# Altium PCB RTM_SFP.PcbDoc (part 1 of 5) (continued)
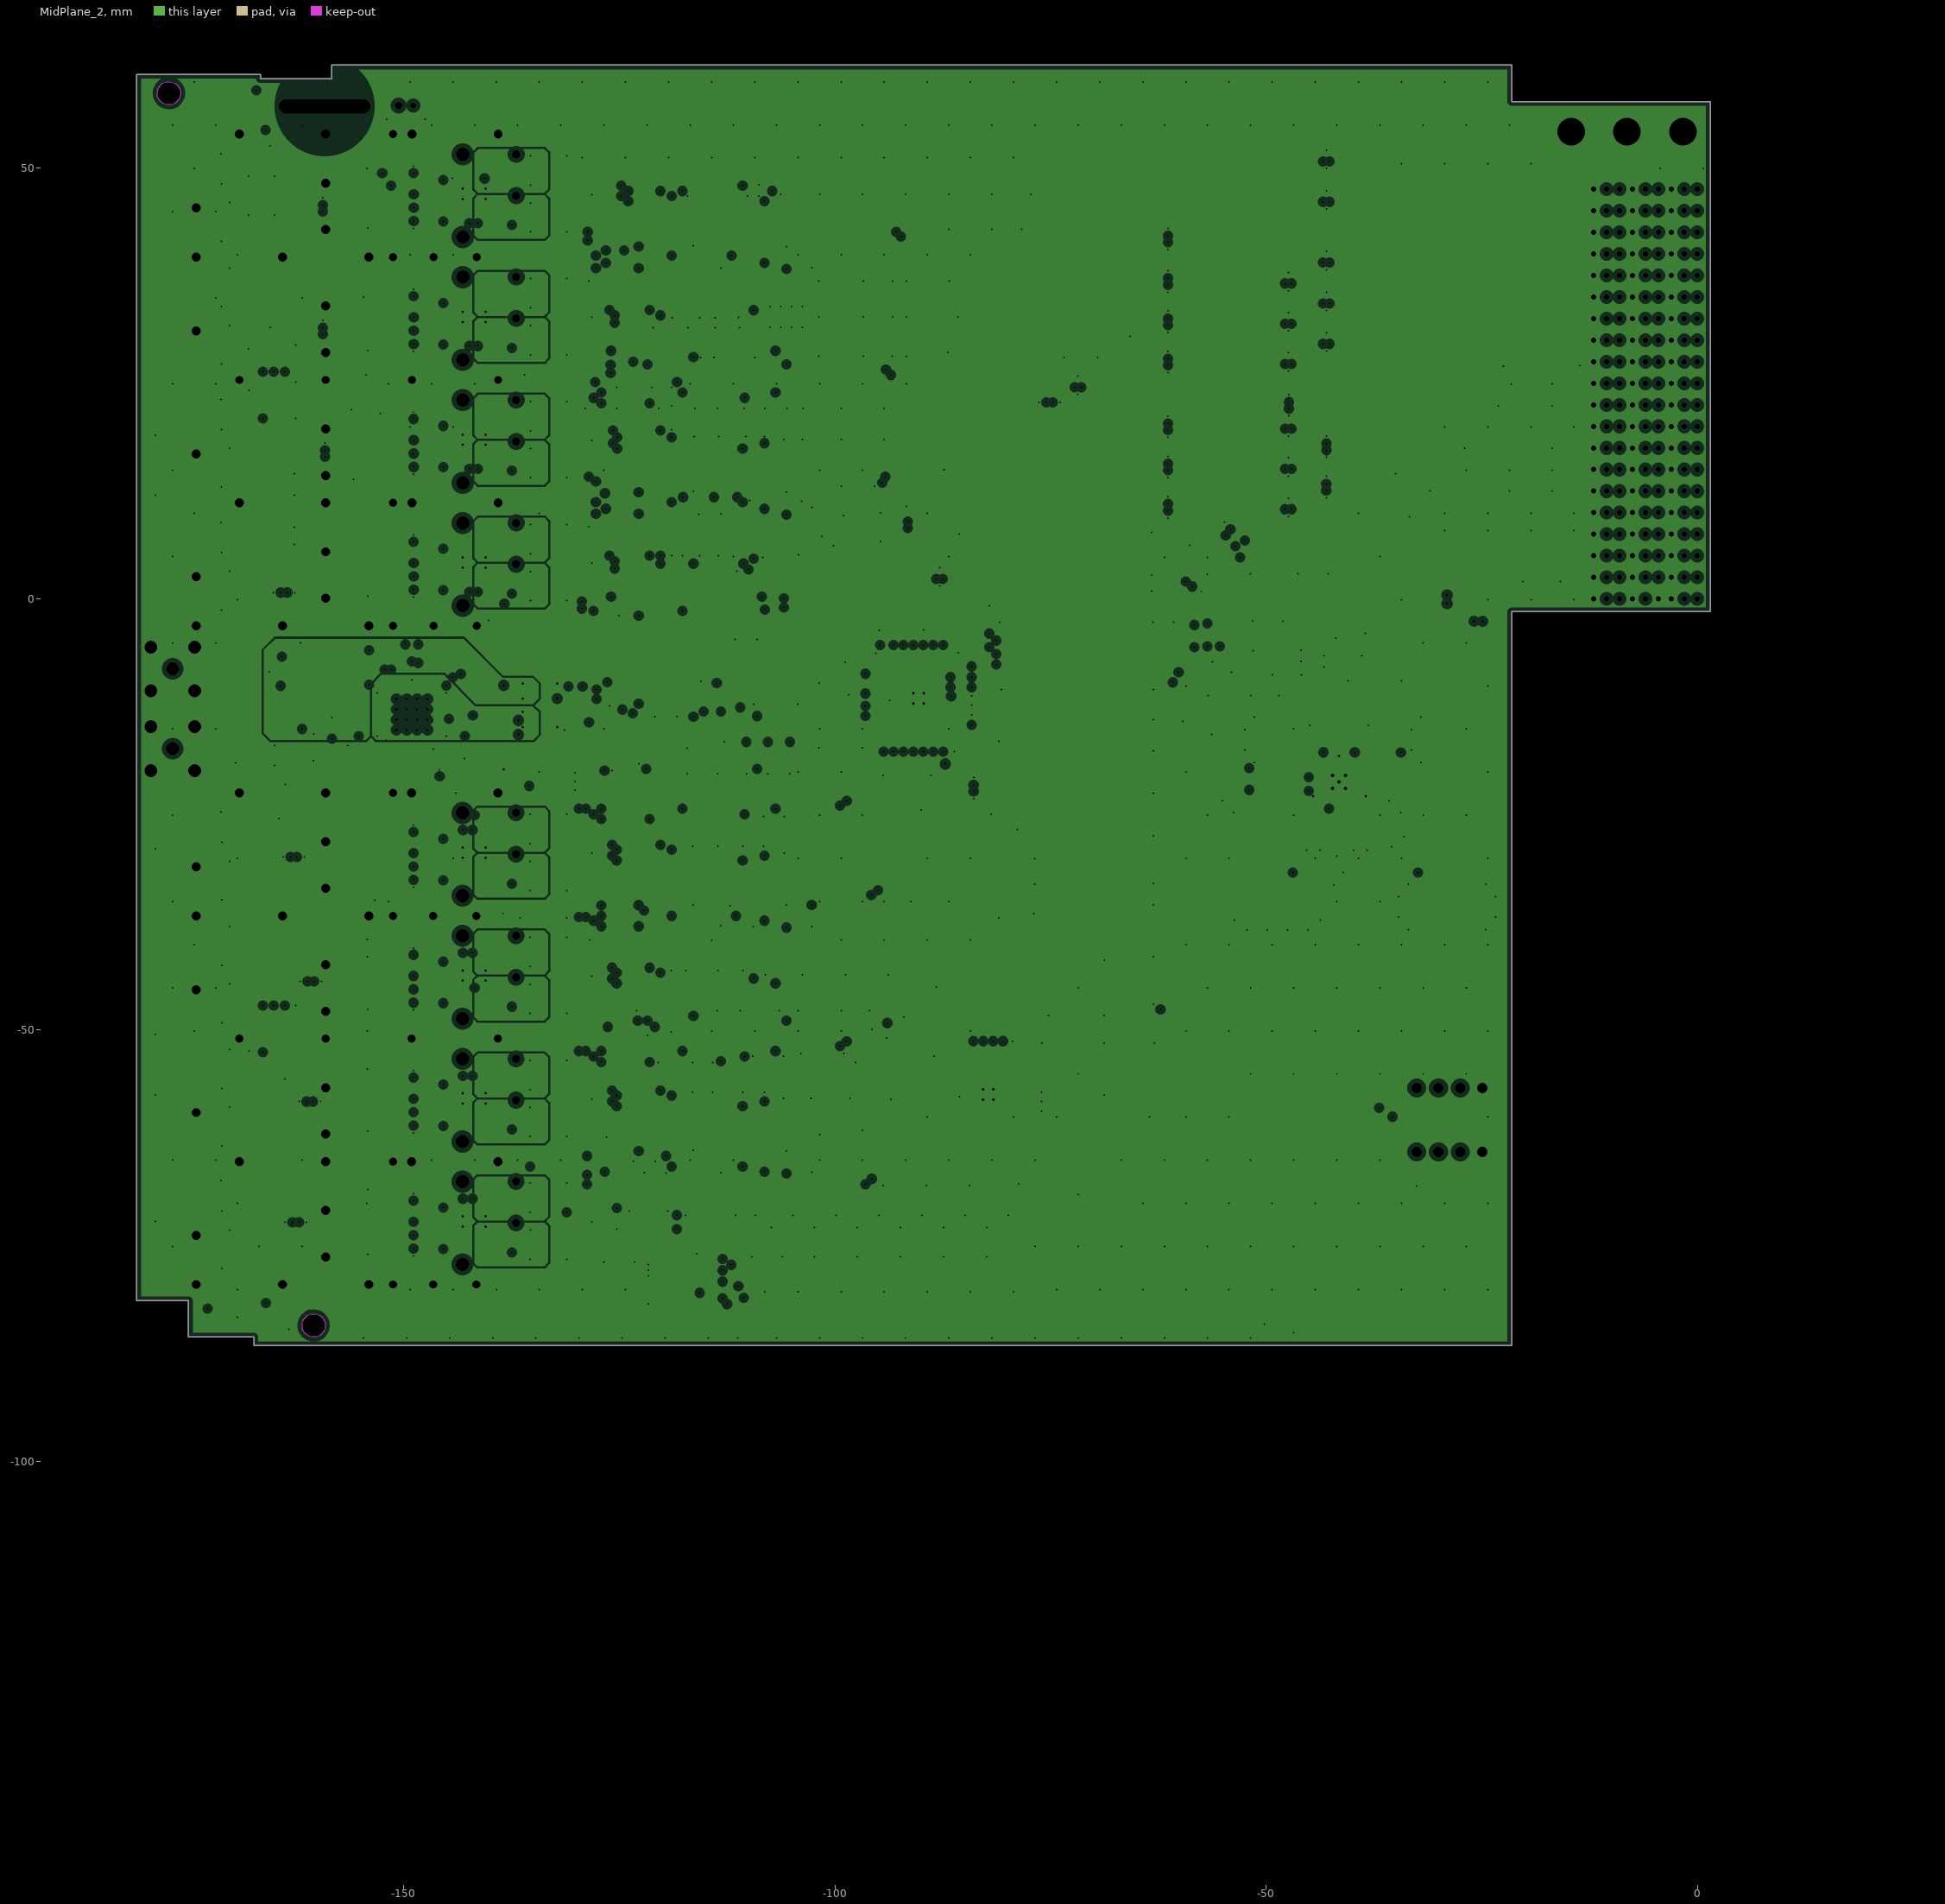
[diagram p3: MidPlane_2, clearances drawn from the general rule]
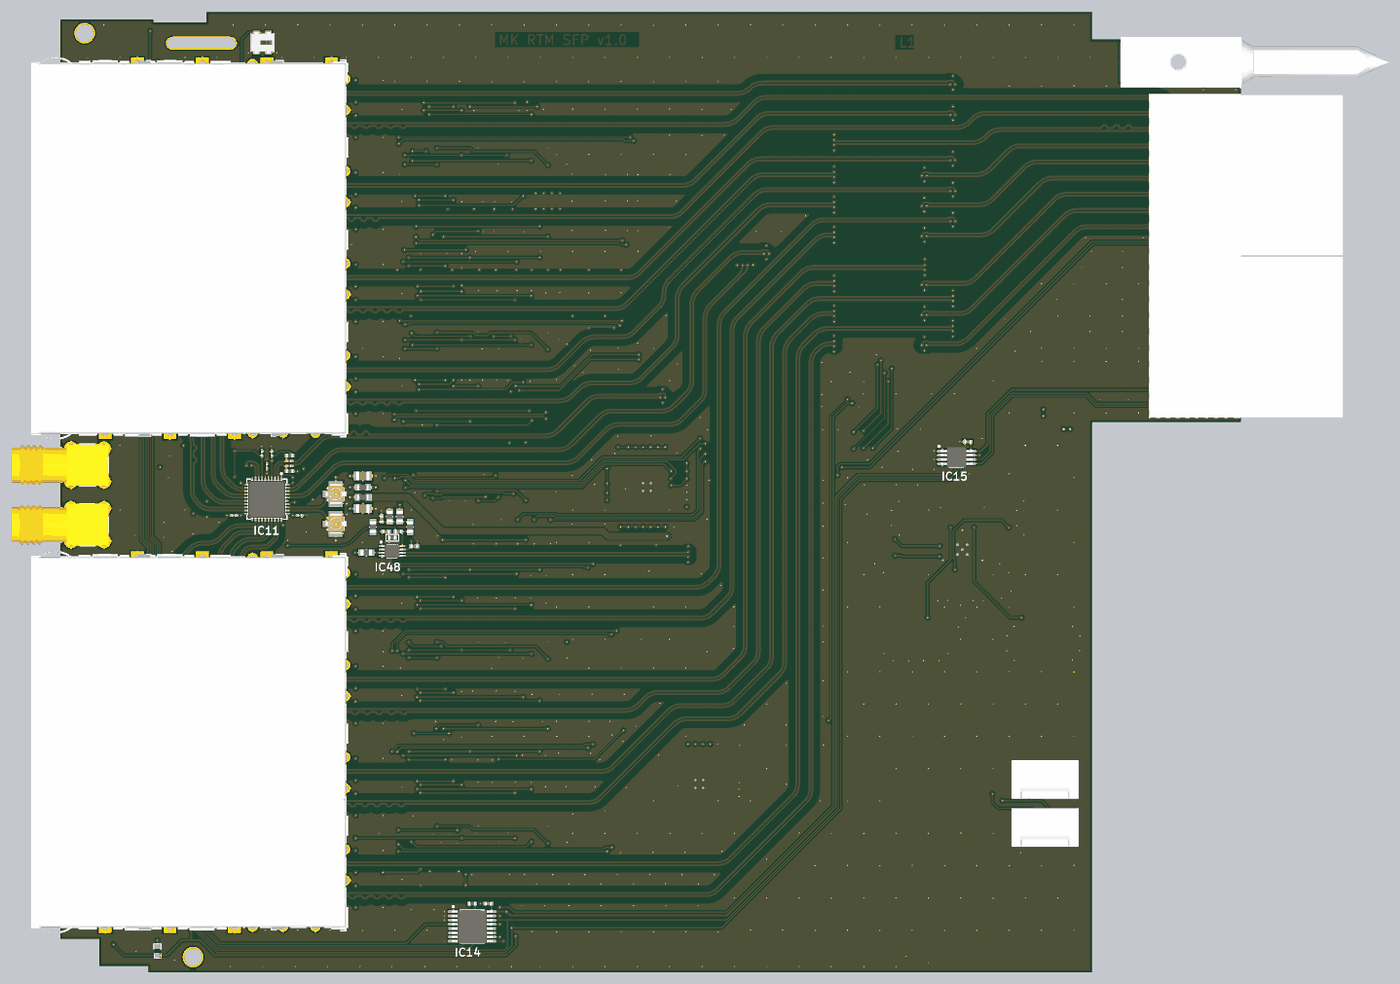
[diagram p8: 3D render of the assembled board from above, using the file's embedded part models]
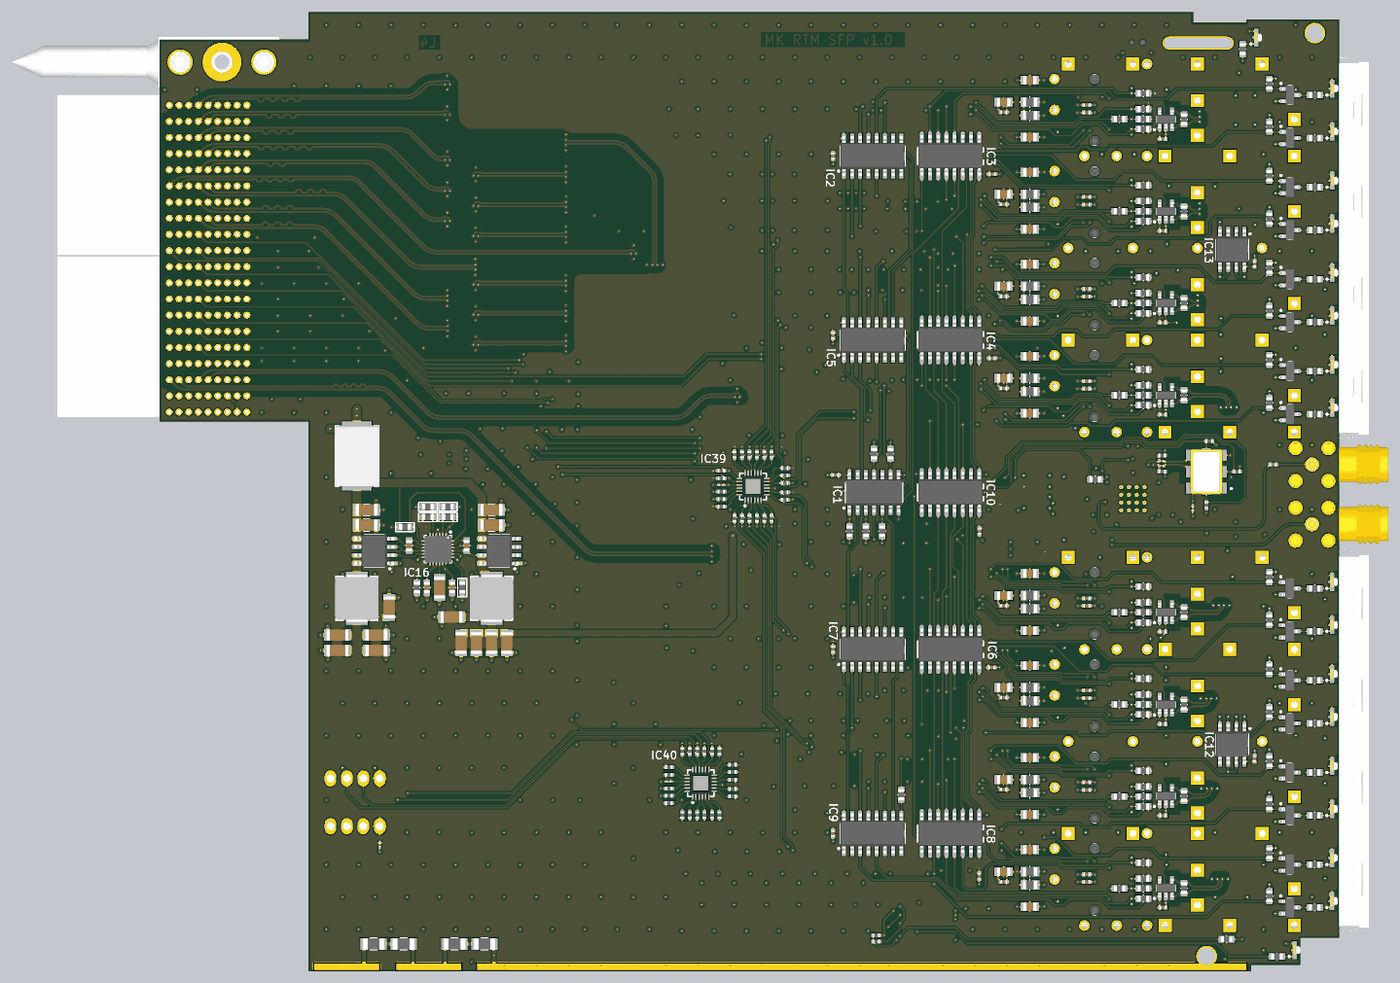
[diagram p9: 3D render of the assembled board from below, using the file's embedded part models]

## Layer stack, top to bottom
Top Layer: signal copper 0.0356
Dielectric: prepreg 0.381, FR-4, Dk 4.8
MidPlane_1: plane copper 0.0356, net (Multiple Nets)
Dielectric: core 0.71, FR-4, Dk 4.8
MidPlane_2: plane copper 0.0356, net (Multiple Nets)
Dielectric: prepreg 0.381, FR-4, Dk 4.8
Bottom Layer: signal copper 0.0356

## Board outline
-175.001,-85.588 -175.001,-81.389 -181,-81.389 -181,60.813 -166.639,60.813 -166.639,60.312 -158.399,60.312 -158.399,61.912 -21.501,61.912 -21.501,57.661 1.499,57.661 1.499,-1.488 -21.501,-1.488 -21.501,-86.589 -167.401,-86.589 -167.401,-85.588
cut-out: -177.221,59.969 cw(c-177.221,58.669) -176.301,59.588 cw(c-177.221,58.669) -175.92,58.669 -175.92,58.572 cw(c-177.147,58.572) -176.28,57.705 -176.428,57.556 cw(c-177.042,58.17) -177.042,57.302 -177.317,57.302 cw(c-177.317,58.529) -178.185,57.662 -178.333,57.81 cw(c-177.72,58.424) -178.587,58.424 -178.587,58.699 cw(c-177.361,58.699) -178.228,59.567 -178.079,59.715 cw(c-177.466,59.102) -177.466,59.969
cut-out: -160.43,-82.906 cw(c-160.43,-84.206) -159.51,-83.287 cw(c-160.43,-84.206) -159.129,-84.206 -159.129,-84.303 cw(c-160.356,-84.303) -159.489,-85.17 -159.637,-85.319 cw(c-160.251,-84.705) -160.251,-85.573 -160.526,-85.573 cw(c-160.526,-84.346) -161.394,-85.213 -161.542,-85.065 cw(c-160.929,-84.451) -161.796,-84.451 -161.796,-84.176 cw(c-160.57,-84.176) -161.437,-83.308 -161.288,-83.16 cw(c-160.675,-83.773) -160.675,-82.906

## Design rules (kind name [scope] priority, off if disabled: settings)
Clearance Clearance_KO [OnLayer('Keep-Out Layer')] p1: gap=0.254
Clearance Clearance_Poly_DS [(InDifferentialPairClass('All Differential Pairs')) vs InPolygon] p2: gap=1.016
Clearance Clearance_Poly [InPolygon] p3: gap=0.203
Clearance Clearance_DS&CLK [(InNet('SFP_CLK*') OR InNet('FPGA_CLK*'))] p4: gap=0.152
Clearance Clearance_DS&RTM [WithinRoom('U_RTM_Connectors')] p5: gap=0.152
Clearance Clearance_DS [All] p6: gap=1.27
Clearance [All] p7: gap=0.152
DiffPairsRouting [All] p1: maxlimit=0.152 minlimit=0.152 mostfreqgap=0.152 maxuncoupledlength=12.7
HoleSize [All] p1: absolutevalues=TRUE maxlimit=12 minlimit=0.025 maxpercent=80.000 minpercent=20.000
MinimumSolderMaskSliver [All] p1: minsoldermaskwidth=0
PlaneClearance [All] p1: clearance=0.508
PlaneConnect PlaneConnect_Via [IsVia] p1: planeconnectstyle=Direct reliefexpansion=0.508 reliefentries=4 reliefconductorwidth=0.254 reliefairgap=0.254
PlaneConnect [All] p2: planeconnectstyle=Relief reliefexpansion=0.254 reliefentries=4 reliefconductorwidth=0.254 reliefairgap=0.254
PolygonConnect PolygonConnect_Via [IsVia] p1: connectstyle=Direct reliefconductorwidth=0.254 reliefentries=4 polygonreliefangle="90 Angle" airgapwidth=0.254
PolygonConnect [All] p2: connectstyle=Relief reliefconductorwidth=0.254 reliefentries=4 polygonreliefangle="90 Angle" airgapwidth=0.254
RoomDefinition U_PWR [InComponentClass('U_PWR')] p1: confinementstyle=ConfineIn formatcopy=TRUE lockcomponents=FALSE outline -55.08,-38.369 -23.41,-38.369 -23.41,-13.629 -55.08,-13.629
RoomDefinition RTM_SFP_TOP [InComponentClass('RTM_SFP_TOP')] p2: confinementstyle=ConfineIn formatcopy=TRUE lockcomponents=FALSE outline -185.95,-83.769 -29.02,-83.769 -29.02,55.431 -185.95,55.431
RoomDefinition U_USR_IO_IPMI [InComponentClass('U_USR_IO_IPMI')] p3: confinementstyle=ConfineIn formatcopy=TRUE lockcomponents=FALSE outline -175.43,-85.319 -38.96,-85.319 -38.96,59.921 -175.43,59.921
RoomDefinition U_Serial_Registers [InComponentClass('U_Serial_Registers')] p4: confinementstyle=ConfineIn formatcopy=TRUE lockcomponents=FALSE outline -128.52,-73.069 -101.88,-73.069 -101.88,46.171 -128.52,46.171
RoomDefinition U_RTM_Connectors [InComponentClass('U_RTM_Connectors')] p5: confinementstyle=ConfineIn formatcopy=TRUE lockcomponents=FALSE outline -12.65,-21.679 24.76,-21.679 24.76,73.071 -12.65,73.071
RoomDefinition U_I2C_Switch [InComponentClass('U_I2C_Switch')] p6: confinementstyle=ConfineIn formatcopy=TRUE lockcomponents=FALSE outline -96.43,-68.049 -23.31,-68.049 -23.31,-5.419 -96.43,-5.419
RoomDefinition U_Clock_Distribution [InComponentClass('U_Clock_Distribution')] p7: confinementstyle=ConfineIn formatcopy=TRUE lockcomponents=FALSE outline -188.9,-19.769 -132.25,-19.769 -132.25,-3.769 -188.9,-3.769
RoomDefinition U_SFP8 [InComponentClass('U_SFP8')] p8: confinementstyle=ConfineIn formatcopy=TRUE lockcomponents=FALSE outline -185.93,38.631 -127.12,38.631 -127.12,54.891 -185.93,54.891
RoomDefinition U_SFP7 [InComponentClass('U_SFP7')] p9: confinementstyle=ConfineIn formatcopy=TRUE lockcomponents=FALSE outline -185.93,24.381 -127.12,24.381 -127.12,40.641 -185.93,40.641
RoomDefinition U_SFP6 [InComponentClass('U_SFP6')] p10: confinementstyle=ConfineIn formatcopy=TRUE lockcomponents=FALSE outline -185.93,10.131 -127.12,10.131 -127.12,26.391 -185.93,26.391
RoomDefinition U_SFP5 [InComponentClass('U_SFP5')] p11: confinementstyle=ConfineIn formatcopy=TRUE lockcomponents=FALSE outline -185.93,-4.119 -127.12,-4.119 -127.12,12.141 -185.93,12.141
RoomDefinition U_SFP4 [InComponentClass('U_SFP4')] p12: confinementstyle=ConfineIn formatcopy=TRUE lockcomponents=FALSE outline -185.95,-37.749 -127.12,-37.749 -127.12,-21.489 -185.95,-21.489
RoomDefinition U_SFP3 [InComponentClass('U_SFP3')] p13: confinementstyle=ConfineIn formatcopy=TRUE lockcomponents=FALSE outline -185.95,-51.999 -127.12,-51.999 -127.12,-35.739 -185.95,-35.739
RoomDefinition U_SFP2 [InComponentClass('U_SFP2')] p14: confinementstyle=ConfineIn formatcopy=TRUE lockcomponents=FALSE outline -185.95,-66.249 -127.12,-66.249 -127.12,-49.989 -185.95,-49.989
RoomDefinition U_SFP1 [InComponentClass('U_SFP1')] p15: confinementstyle=ConfineIn formatcopy=TRUE lockcomponents=FALSE outline -185.95,-80.499 -127.12,-80.499 -127.12,-64.239 -185.95,-64.239
RoutingVias [All] p1: holewidth=0.2 width=0.6 viastyle="Through Hole" minholewidth=0.2 minwidth=0.6 maxholewidth=0.6 maxwidth=1.2
SilkToSilkClearance [All] p1: silktosilkclearance=0.152
SilkToSolderMaskClearance SilkscreenOverComponentPads [IsPad] p1: minsilkscreentomaskgap=0 clearancetoexposedcopper=TRUE
SolderMaskExpansion [All] p1: expansion=0.102
Width Width_DS [(InDifferentialPairClass('All Differential Pairs'))] p1: maxlimit=0.305 minlimit=0.152 preferedwidth=0.305
Width [All] p2: maxlimit=1.27 minlimit=0.152 preferedwidth=0.152
21 further rules are at their usual default settings.

## Classes and differential pairs
component class U_Serial_Registers: C1 C2 C3 C4 C6 C7 C8 C20 C22 C23 IC1 IC2 IC3 IC4 IC5 IC6 IC7 IC8 IC9 IC10 R2 R3 R4 R5 R6 R13
component class U_RTM_Connectors: C16 C17 C18 C19 F1 IC48 J1 J2 J3 J6 R23 R24 R25 R26 R27 R211
component class U_I2C_Switch: C402 C403 C404 CON4 CON11 IC39 IC40 R28 R29 R316 R317 R318 R319 R320 R321 R322 R323 R324 R325 R326 R327 R328 R329 R330 R331 R332 R333 R334 R335 R336 R337 R338 R339 R340 R341 R342 R343 R344 R345 R346 R347 R348 R349 R350 R351 R352 R353 R354 R355 R356 R357
component class U_Clock_Distribution: C5 C24 C390 C391 C392 C393 C394 C395 C396 C397 C399 C400 C401 IC11 J4 J12 J13 L19 L20 OSC1 R309 R310 R311 R312 R313 R314 R315 R391
component class RTM_SFP_TOP: Cage1 Cage2 R19 R20 R21 R22
component class U_USR_IO_IPMI: C21 C25 C26 C27 IC12 IC13 IC14 IC15 LDx LDy LED17 PB1 R7 R8 R9 R14 R15 R16
component class U_SFP1: C13A C186A C202A C214A C219A C220A C228A IC20A J5A L5A L11A LD1A LD2A R1A R10A R11A R12A R107A R109A R400A R403A R404A T1A T2A
component class U_SFP2: C13B C186B C202B C214B C219B C220B C228B IC20B J5B L5B L11B LD1B LD2B R1B R10B R11B R12B R105B R107B R109B R400B R403B R404B T1B T2B
component class U_SFP3: C13C C186C C202C C214C C219C C220C C228C IC20C J5C L5C L11C LD1C LD2C R1C R10C R11C R12C R105C R107C R109C R400C R403C R404C T1C T2C
component class U_SFP4: C13D C186D C202D C214D C219D C220D C228D IC20D J5D L5D L11D LD1D LD2D R1D R10D R11D R12D R105D R107D R109D R400D R403D R404D T1D T2D
component class U_SFP5: C13E C186E C202E C214E C219E C220E C228E IC20E J5E L5E L11E LD1E LD2E R1E R10E R11E R12E R105E R107E R109E R400E R403E R404E T1E T2E
component class U_SFP6: C13F C186F C202F C214F C219F C220F C228F IC20F J5F L5F L11F LD1F LD2F R1F R10F R11F R12F R105F R107F R109F R400F R403F R404F T1F T2F
component class U_SFP7: C13G C186G C202G C214G C219G C220G C228G IC20G J5G L5G L11G LD1G LD2G R1G R10G R11G R12G R105G R107G R109G R400G R403G R404G T1G T2G
component class U_SFP8: C13H C186H C202H C214H C219H C220H C228H IC20H J5H L5H L11H LD1H LD2H R1H R10H R11H R12H R105H R107H R109H R400H R403H R404H T1H T2H
channel class SFP: U_SFP1 U_SFP2 U_SFP3 U_SFP4 U_SFP5 U_SFP6 U_SFP7 U_SFP8
component class U_PWR: C9 C10 C11 C12 C14 C15 C84 C176 C179 C180 C181 C182 C207 C208 C209 C210 C213 C280 C386 IC16 L1 L2 R17 R18 R53 R54 R195 R246 R248 T5 T6
differential pair SYNC_CLK: +SYNC_CLK_P -SYNC_CLK_N
differential pair SI_CLK: +SI_CLK_P -SI_CLK_N
differential pair SFP_CLK8.CLOCK: +SFP_CLK8.CLOCK_P -SFP_CLK8.CLOCK_N
differential pair SFP_CLK7.CLOCK: +SFP_CLK7.CLOCK_P -SFP_CLK7.CLOCK_N
differential pair SFP_CLK6.CLOCK: +SFP_CLK6.CLOCK_P -SFP_CLK6.CLOCK_N
differential pair SFP_CLK5.CLOCK: +SFP_CLK5.CLOCK_P -SFP_CLK5.CLOCK_N
differential pair SFP_CLK4.CLOCK: +SFP_CLK4.CLOCK_P -SFP_CLK4.CLOCK_N
differential pair SFP_CLK3.CLOCK: +SFP_CLK3.CLOCK_P -SFP_CLK3.CLOCK_N
differential pair SFP_CLK2.CLOCK: +SFP_CLK2.CLOCK_P -SFP_CLK2.CLOCK_N
differential pair SFP_CLK1.CLOCK: +SFP_CLK1.CLOCK_P -SFP_CLK1.CLOCK_N
differential pair SFP8TX: +SFP8TX_P -SFP8TX_N
differential pair SFP8RX: +SFP8RX_P -SFP8RX_N
differential pair SFP7TX: +SFP7TX_P -SFP7TX_N
differential pair SFP7RX: +SFP7RX_P -SFP7RX_N
differential pair SFP6TX: +SFP6TX_P -SFP6TX_N
differential pair SFP6RX: +SFP6RX_P -SFP6RX_N
differential pair SFP5TX: +SFP5TX_P -SFP5TX_N
differential pair SFP5RX: +SFP5RX_P -SFP5RX_N
differential pair SFP4TX: +SFP4TX_P -SFP4TX_N
differential pair SFP4RX: +SFP4RX_P -SFP4RX_N
differential pair SFP3TX: +SFP3TX_P -SFP3TX_N
differential pair SFP3RX: +SFP3RX_P -SFP3RX_N
differential pair SFP2TX: +SFP2TX_P -SFP2TX_N
differential pair SFP2RX: +SFP2RX_P -SFP2RX_N
differential pair SFP1TX: +SFP1TX_P -SFP1TX_N
differential pair SFP1RX: +SFP1RX_P -SFP1RX_N
differential pair FPGA_CLK1: +FPGA_CLK1_P -FPGA_CLK1_N
differential pair FPGA_CLK2: +FPGA_CLK2_P -FPGA_CLK2_N
differential pair CLK_EXT: +CLK_EXT_P -CLK_EXT_N

## Components (designator, comment, footprint, x,y, rotation, side; value= is the part's Value field where it differs from the comment)
C1 "100nF" CAPC1005X55N -125.35,-18.45 r270 bottom
C2 "100nF" CAPC1005X55N -125.315,-71.86 r270 bottom
C3 "100nF" CAPC1005X55N -102.7,-65.244 r270 bottom
C4 "100nF" CAPC1005X55N -102.7,-36.744 r270 bottom
C5 "100nF" CAPC1005X55N -170.775,-8.124 r180 bottom
C6 "100nF" CAPC1005X55N -127.31,36.84 r180 bottom
C7 "100nF" CAPC1005X55N -127.31,8.342 r180 bottom
C8 "100nF" CAPC1005X55N -102.7,39.636 r270 bottom
C9 "10uF" CAPC3216X140N -49.85,-17.51 r0 bottom
C10 "10uF" CAPC3216X140N -49.85,-15.16 r0 bottom
C11 "100nF" CAPC1608X87N -37.11,-20.67 r90 bottom
C12 "10uF" CAPC3216X140N -30.52,-17.51 r0 bottom
C13A "10uF" CAPC2012X135N -129.1,-71.15 r0 bottom (schematic designator C13)
C13B "10uF" CAPC2012X135N -129.1,-56.9 r0 bottom (schematic designator C13)
C13C "10uF" CAPC2012X135N -129.1,-42.65 r0 bottom (schematic designator C13)
C13D "10uF" CAPC2012X135N -129.1,-28.4 r0 bottom (schematic designator C13)
C13E "10uF" CAPC2012X135N -129.1,5.23 r0 bottom (schematic designator C13)
C13F "10uF" CAPC2012X135N -129.1,19.48 r0 bottom (schematic designator C13)
C13G "10uF" CAPC2012X135N -129.1,33.73 r0 bottom (schematic designator C13)
C13H "10uF" CAPC2012X135N -129.1,47.98 r0 bottom (schematic designator C13)
C14 "10uF" CAPC3216X140N -30.52,-15.16 r0 bottom
C15 "22uF" CAPC3216X180N -26.02,-34.53 r180 bottom
C16 "100nF" CAPC1005X55N -131.36,-16.47 r90 top
C17 "100nF" CAPC1005X55N -126.29,-20.69 r0 top
C18 "100nF" CAPC1005X55N -128.763,-18.42 r0 top
C19 "100nF" CAPC1005X55N -130.663,-18.42 r180 top
C20 "100nF" CAPC1005X55N -102.7,11.836 r270 bottom
C21 "100nF" CAPC1005X55N -167.94,-53.664 r90 bottom
C22 "100nF" CAPC1005X55N -127.22,-39.538 r180 bottom
C23 "100nF" CAPC1005X55N -103.09,-9.75 r0 bottom
C24 "10uF" CAPC2012X135N -134.23,-14.87 r180 top
C25 "100nF" CAPC1005X55N -167.94,22.936 r90 bottom
C26 "100nF" CAPC1005X55N -114.83,-75.96 r180 top
C27 "100nF" CAPC1005X55N -40.69,-4.53 r180 top
C84 "1uF" CAPC1608X87N -43.76,-27.17 r270 bottom
C176 "22uF" CAPC3216X180N -43.67,-31.73 r180 bottom
C179 "22uF" CAPC3216X180N -45.17,-35.76 r90 bottom
C180 "22uF" CAPC3216X180N -47.52,-35.76 r90 bottom
C181 "22uF" CAPC3216X180N -52.23,-35.76 r90 bottom
C182 "22uF" CAPC3216X180N -49.87,-35.76 r90 bottom
C186A "100nF" CAPC1005X55N -129.11,-72.71 r0 bottom (schematic designator C186)
C186B "100nF" CAPC1005X55N -129.1,-58.46 r0 bottom (schematic designator C186)
C186C "100nF" CAPC1005X55N -129.1,-44.21 r0 bottom (schematic designator C186)
C186D "100nF" CAPC1005X55N -129.1,-29.96 r0 bottom (schematic designator C186)
C186E "100nF" CAPC1005X55N -129.1,3.68 r0 bottom (schematic designator C186)
C186F "100nF" CAPC1005X55N -129.1,17.92 r0 bottom (schematic designator C186)
C186G "100nF" CAPC1005X55N -129.1,32.17 r0 bottom (schematic designator C186)
C186H "100nF" CAPC1005X55N -129.1,46.43 r0 bottom (schematic designator C186)
C202A "100nF" CAPC1005X55N -153.71,-76.71 r0 bottom (schematic designator C202)
C202B "100nF" CAPC1005X55N -153.71,-62.46 r0 bottom (schematic designator C202)
C202C "100nF" CAPC1005X55N -153.71,-48.31 r0 bottom (schematic designator C202)
C202D "100nF" CAPC1005X55N -153.71,-34.01 r0 bottom (schematic designator C202)
C202E "100nF" CAPC1005X55N -153.71,-0.41 r0 bottom (schematic designator C202)
C202F "100nF" CAPC1005X55N -153.71,13.85 r0 bottom (schematic designator C202)
C202G "100nF" CAPC1005X55N -153.71,28.05 r0 bottom (schematic designator C202)
C202H "100nF" CAPC1005X55N -153.71,42.29 r0 bottom (schematic designator C202)
C207 "22uF" CAPC3216X180N -41.81,-27.17 r90 bottom
C208 "22uF" CAPC3216X180N -32.02,-34.53 r0 bottom
C209 "22uF" CAPC3216X180N -34.02,-30.23 r270 bottom
C210 "22uF" CAPC3216X180N -32.02,-36.88 r0 bottom
C213 "22uF" CAPC3216X180N -26.02,-36.88 r180 bottom
C214A "100nF" CAPC1005X55N -141.95,-71.58 r180 bottom (schematic designator C214)
C214B "100nF" CAPC1005X55N -141.95,-57.33 r180 bottom (schematic designator C214)
C214C "100nF" CAPC1005X55N -141.95,-43.08 r180 bottom (schematic designator C214)
C214D "100nF" CAPC1005X55N -141.95,-28.83 r180 bottom (schematic designator C214)
C214E "100nF" CAPC1005X55N -141.95,4.8 r180 bottom (schematic designator C214)
C214F "100nF" CAPC1005X55N -141.95,19.05 r180 bottom (schematic designator C214)
C214G "100nF" CAPC1005X55N -141.95,33.3 r180 bottom (schematic designator C214)
C214H "100nF" CAPC1005X55N -141.95,47.55 r180 bottom (schematic designator C214)
C219A "10uF" CAPC2012X135N -133.15,-76.57 r0 bottom (schematic designator C219)
C219B "10uF" CAPC2012X135N -133.15,-62.32 r0 bottom (schematic designator C219)
C219C "10uF" CAPC2012X135N -133.15,-48.07 r0 bottom (schematic designator C219)
C219D "10uF" CAPC2012X135N -133.15,-33.82 r0 bottom (schematic designator C219)
C219E "10uF" CAPC2012X135N -133.15,-0.19 r0 bottom (schematic designator C219)
C219F "10uF" CAPC2012X135N -133.15,14.06 r0 bottom (schematic designator C219)
C219G "10uF" CAPC2012X135N -133.15,28.31 r0 bottom (schematic designator C219)
C219H "10uF" CAPC2012X135N -133.15,42.56 r0 bottom (schematic designator C219)
C220A "10uF" CAPC2012X135N -133.15,-67.75 r0 bottom (schematic designator C220)
C220B "10uF" CAPC2012X135N -133.15,-53.5 r0 bottom (schematic designator C220)
C220C "10uF" CAPC2012X135N -133.15,-39.25 r0 bottom (schematic designator C220)
C220D "10uF" CAPC2012X135N -133.15,-25 r0 bottom (schematic designator C220)
C220E "10uF" CAPC2012X135N -133.15,8.63 r0 bottom (schematic designator C220)
C220F "10uF" CAPC2012X135N -133.15,22.88 r0 bottom (schematic designator C220)
C220G "10uF" CAPC2012X135N -133.15,37.13 r0 bottom (schematic designator C220)
C220H "10uF" CAPC2012X135N -133.15,51.38 r0 bottom (schematic designator C220)
C228A "100nF" CAPC1005X55N -141.95,-72.765 r180 bottom (schematic designator C228)
C228B "100nF" CAPC1005X55N -141.95,-58.515 r180 bottom (schematic designator C228)
C228C "100nF" CAPC1005X55N -141.95,-44.265 r180 bottom (schematic designator C228)
C228D "100nF" CAPC1005X55N -141.95,-30.015 r180 bottom (schematic designator C228)
C228E "100nF" CAPC1005X55N -141.95,3.615 r180 bottom (schematic designator C228)
C228F "100nF" CAPC1005X55N -141.95,17.865 r180 bottom (schematic designator C228)
C228G "100nF" CAPC1005X55N -141.95,32.115 r180 bottom (schematic designator C228)
C228H "100nF" CAPC1005X55N -141.95,46.365 r180 bottom (schematic designator C228)
C280 "100nF" CAPC1608X87N -46.01,-20.67 r90 bottom
C386 "1uF" CAPC1608X87N -39.86,-27.17 r90 bottom
C390 "10uF" CAPC2012X135N -134.23,-9.82 r180 top
C391 "100nF" CAPC0603X33N -158.36,-14.92 r90 bottom
C392 "100nF" CAPC0603X33N -153.51,-7.58 r180 bottom
C393 "100nF" CAPC0603X33N -153.51,-8.34 r180 bottom
C394 "100nF" CAPC0603X33N -145.67,-8.25 r0 top
C395 "100nF" CAPC0603X33N -145.67,-7.5 r0 top
C396 "100nF" CAPC0603X33N -148.33,-6.35 r270 top
C397 "100nF" CAPC0603X33N -149.83,-6.35 r270 top
C399 "100nF" CAPC0603X33N -154.16,-15.92 r0 top
C400 "100nF" CAPC0603X33N -149.08,-8.32 r270 top
C401 "100nF" CAPC0603X33N -144,-15.92 r180 top
C402 "100nF" CAPC0603X33N -77.301,-57.21 r180 bottom
C403 "100nF" CAPC0603X33N -32.56,-67.01 r90 bottom